# Altium PCB DM1098OAKW.PcbDoc (part 1 of 5) (continued)
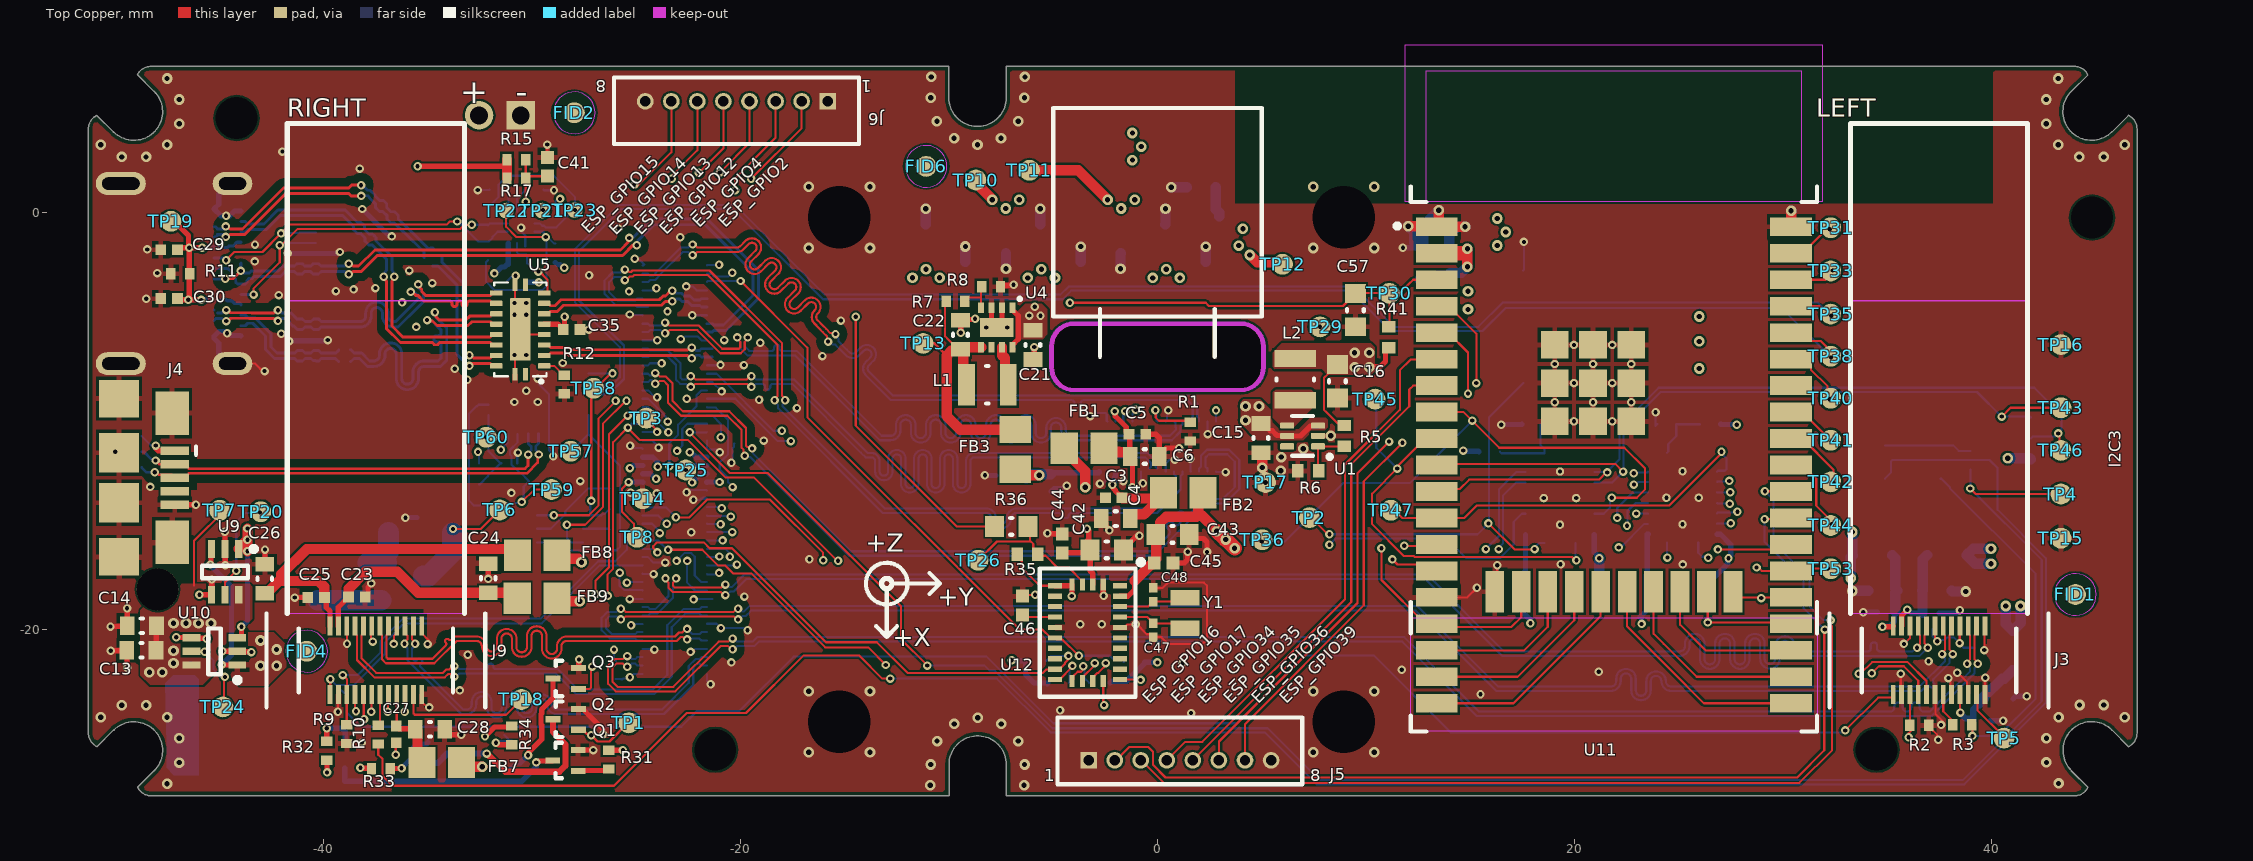
[diagram p0: Top Copper view]
## Classes and differential pairs
net class SPI0: GPIO8/SPI0_CS_1 SPI0_CS_0 SPI0_SCK SPI0_SIO0 SPI0_SIO1 SPI0_SIO2 SPI0_SIO3
differential pair class USB3: RXB RXC TXB TXB1 TXC TXC1 USB_D USB_RX USB_TX USBSER_D
differential pair class 100ohm: MIPI_RX2_C MIPI_RX2_D0 MIPI_RX2_D1 MIPI_RX3_C MIPI_RX3_D0 MIPI_RX3_D1 MIPI_RX4_C MIPI_RX4_D0 MIPI_RX4_D1 MIPI_RX5_D0 MIPI_RX5_D1
net class VDDIOB_GPIO: ESP_GPIO2 ESP_GPIO4 ESP_GPIO12 ESP_GPIO13 ESP_GPIO14 ESP_GPIO15
net class SPI0_3V3: ESP_GPIO27 VSPI_CS0 VSPI_HOLDn_SIO3 VSPI_SCK VSPI_SDI_SIO1 VSPI_SDO_SIO0 VSPI_WPn_SIO2
net class Power_trace: 1V2_L 1V2_R 1V05_IMX378 1V8_IMX378 1V8_L 1V8_R 2V8_IMX378 2V8_L 2V8_R 3V3 NetC40_2 VBUS VDD_5V
net class MIPI_CAM_C: MIPI_RX3_C_N MIPI_RX3_C_P MIPI_RX3_D0_N MIPI_RX3_D0_P MIPI_RX3_D1_N MIPI_RX3_D1_P
net class MIPI_CAM_B: MIPI_RX2_C_N MIPI_RX2_C_P MIPI_RX2_D0_N MIPI_RX2_D0_P MIPI_RX2_D1_N MIPI_RX2_D1_P
net class MIPI_CAM_A: MIPI_RX4_C_N MIPI_RX4_C_P MIPI_RX4_D0_N MIPI_RX4_D0_P MIPI_RX4_D1_N MIPI_RX4_D1_P MIPI_RX5_D0_N MIPI_RX5_D0_P MIPI_RX5_D1_N MIPI_RX5_D1_P
component class U_BW1092_USB: C29 C30 C31 C32 C33 C34 C35 C36 C41 D6 D7 D8 J10 R11 R12 R13 R14 R15 R16 R17 R18 R19 R20 R21 TP19 TP21 TP22 TP23 U5 U6
component class U_BW1092_RIGHT_OV9282: C23 C24 C25 C26 C27 C28 FB7 FB8 FB9 J9 R9 R10 TP18
component class U_BW1092_QWIIC: J11
component class U_BW1092_Power_Supply: C13 C14 C15 C16 C17 C18 C19 C20 C21 C22 C38 C39 C40 D1 J7 J8 L1 L2 R5 R6 R7 R8 TP6 TP7 TP8 TP10 TP11 TP12 TP13 TP14 TP15 TP16 TP17 TP20 TP24 TP25 U1 U2 U3 U4 U8 U9 U10
component class U_BW1092_LEVEL_SHIFT: C49 C50 C51 C52 C53 C54 R39 R40 U13 U14
component class U_BW1092_LEFT_OV9282: C7 C8 C9 C10 C11 C12 FB4 FB5 FB6 J3 R2 R3 R4 R24 R26 TP5
component class U_BW1092_IMX378: C1 C2 C3 C4 C5 C6 FB1 FB2 FB3 J2 R1
component class U_BW1092_IMU: C42 C43 C44 C45 C46 C47 C48 R29 R30 R35 R36 R37 R38 TP26 U12 Y1
component class U_BW1092_ESP32: C55 C56 C57 C58 D5 J4 J5 J6 Q4 R41 R42 R43 R44 R45 R46 TP29 TP30 TP31 TP33 TP35 TP36 TP38 TP40 TP41 TP42 TP43 TP44 TP45 TP46 TP47 TP53 TP57 TP58 TP59 TP60 U11 U15
component class U_BW1092_Connector: B1 D2 D3 D4 J1 MH1 MH2 MH3 MH4 MISC1 Q1 Q2 Q3 R31 R32 R33 R34 TP1 TP2 TP3 TP4
component class DM1098OAKW_TopLevel: FID1 FID2 FID3 FID4 FID5 FID6
differential pair USBSER_D: +USBSER_D_P -USBSER_D_N
differential pair USB_TX: +USB_TX_P -USB_TX_N
differential pair USB_RX: +USB_RX_P -USB_RX_N
differential pair USB_D: +USB_D_P -USB_D_N
differential pair TXC: +TXC_P -TXC_N
differential pair TXC1: +TXC1_P -TXC1_N
differential pair TXB: +TXB_P -TXB_N
differential pair TXB1: +TXB1_P -TXB1_N
differential pair RXC: +RXC_P -RXC_N
differential pair RXB: +RXB_P -RXB_N
differential pair MIPI_RX5_D1: +MIPI_RX5_D1_P -MIPI_RX5_D1_N
differential pair MIPI_RX5_D0: +MIPI_RX5_D0_P -MIPI_RX5_D0_N
differential pair MIPI_RX4_D1: +MIPI_RX4_D1_P -MIPI_RX4_D1_N
differential pair MIPI_RX4_D0: +MIPI_RX4_D0_P -MIPI_RX4_D0_N
differential pair MIPI_RX4_C: +MIPI_RX4_C_P -MIPI_RX4_C_N
differential pair MIPI_RX3_D1: +MIPI_RX3_D1_P -MIPI_RX3_D1_N
differential pair MIPI_RX3_D0: +MIPI_RX3_D0_P -MIPI_RX3_D0_N
differential pair MIPI_RX3_C: +MIPI_RX3_C_P -MIPI_RX3_C_N
differential pair MIPI_RX2_D1: +MIPI_RX2_D1_P -MIPI_RX2_D1_N
differential pair MIPI_RX2_D0: +MIPI_RX2_D0_P -MIPI_RX2_D0_N
differential pair MIPI_RX2_C: +MIPI_RX2_C_P -MIPI_RX2_C_N

## Components (designator, comment, footprint, x,y, rotation, side; value= is the part's Value field where it differs from the comment)
B1 "Off-Mom, 50mA" DTSM-32N-V 17.551,-5.494 r270 bottom
C1 "0.1uF 0402" CAPC0402(1005)70_L -5.1,-13 r90 bottom
C2 "10uF 0603" CAPC0603(1608)100_L -7.053,-12.633 r0 bottom
C3 "0.1uF 0402" CAPC0402(1005)70_L -2.1,-13.7 r0 top
C4 "10uF 0603" CAPC0603(1608)100_L -2,-14.7 r0 top
C5 "0.1uF 0402" CAPC0402(1005)70_L -0.959,-10.654 r180 top
C6 "10uF 0603" CAPC0603(1608)100_L -0.604,-11.719 r180 top
C7 "0.1uF 0402" CAPC0402(1005)70_L 37.108,-19.23 r180 bottom
C8 "10uF 0603" CAPC0603(1608)100_L 37.403,-18.161 r180 bottom
C9 "0.1uF 0402" CAPC0402(1005)70_L 34.941,-19.201 r0 bottom
C10 "10uF 0603" CAPC0603(1608)100_L 34.8,-18.155 r0 bottom
C11 "0.1uF 0402" CAPC0402(1005)70_L 39.544,-24.399 r180 bottom
C12 "10uF 0603" CAPC0603(1608)100_L 40.345,-23.358 r180 bottom
C13 "22uF 0603" CAPC0603(1608)100_L -48.749,-21.021 r0 top
C14 "22uF 0603" CAPC0603(1608)100_L -48.728,-19.836 r0 top
C15 "10uF 0603" CAPC0603(1608)100_L 4.963,-10.838 r90 top
C16 "22uF 0603" CAPC0603(1608)100_N 8.637,-8.112 r270 top
C17 "10uF 0603" CAPC0603(1608)100_L -5.619,-1.277 r270 bottom
C18 "10uF 0603" CAPC0603(1608)100_L -1.772,-1.277 r90 bottom
C19 "10uF 0603" CAPC0603(1608)100_L 0.384,-1.277 r270 bottom
C20 "10uF 0603" CAPC0603(1608)100_L 2.1,1.2 r0 bottom
C21 "10uF 0603" CAPC0603(1608)100_L -5.975,-6.367 r90 top
C22 "22uF 0603" CAPC0603(1608)100_L -9.454,-5.883 r270 top
C23 "0.1uF 0402" CAPC0402(1005)70_L -38.414,-18.465 r180 top
C24 "10uF 0603" CAPC0603(1608)100_L -32.104,-17.56 r270 top
C25 "0.1uF 0402" CAPC0402(1005)70_L -40.368,-18.481 r0 top
C26 "10uF 0603" CAPC0603(1608)100_L -42.836,-17.59 r270 top
C27 "0.1uF 0402" CAPC0402(1005)70_L -36.52,-25.054 r90 top
C28 "10uF 0603" CAPC0603(1608)100_L -34.904,-24.808 r180 top
C29 "10uF 0402" CAPC0402(1005)70_L -47.422,-1.801 r0 top
C30 "10uF 0402" CAPC0402(1005)70_L -47.422,-4.148 r0 top
C31 "0.1uF 0201" CAPC0201(0603)33_L#1 -39,-6.6 r0 bottom
C32 "0.1uF 0201" CAPC0201(0603)33_L#2 -39,-7.169 r0 bottom
C33 "0.1uF 0201" CAPC0201(0603)33_L#2 -34.984,-2.376 r315 bottom
C34 "0.1uF 0201" CAPC0201(0603)33_L#2 -34.544,-1.935 r315 bottom
C35 "10uF 0402" CAPC0402(1005)70_L -28.107,-5.628 r180 top
C36 "10uF 0402" CAPC0402(1005)70_L -31.2,-2.9 r90 bottom
C38 "10uF 0603" CAPC0603(1608)100_L -11.118,-1.277 r270 bottom
C39 "10uF 0603" CAPC0603(1608)100_L -7.267,-1.277 r90 bottom
C40 "1uF 0402" CAPC0402(1005)70_L -35.123,-14.647 r0 bottom
C41 "1uF 0402" CAPC0402(1005)70_N -29.265,2.181 r270 top
C42 "10uF 0603" CAPC0603(1608)100_N -2.432,-16.202 r180 top
C43 "10uF 0603" CAPC0603(1608)100_N 0.72,-15.457 r180 top
C44 "0.1uF 0402" CAPC0402(1005)70_N -4.569,-15.893 r270 top
C45 "0.1uF 0402" CAPC0402(1005)70_N 0.296,-16.829 r180 top
C46 "0.1uF 0402" CAPC0402(1005)70_N -6.48,-18.872 r90 top
C47 "18pF 0201" CAPC0201(0603)33_N -0.203,-20.057 r90 top
C48 "18pF 0201" CAPC0201(0603)33_N -0.203,-18.357 r270 top
C49 "0.1uF 0402" CAPC0402(1005)70_N 26.308,-17.474 r0 bottom
C50 "0.1uF 0402" CAPC0402(1005)70_N 23.902,-17.423 r180 bottom
C51 "1uF 0402" CAPC0402(1005)70_N 24.444,-10.158 r0 bottom
C52 "0.1uF 0402" CAPC0402(1005)70_N 17.896,-17.423 r180 bottom
C53 "0.1uF 0402" CAPC0402(1005)70_N 20.7,-17.423 r0 bottom
C54 "1uF 0402" CAPC0402(1005)70_N 17.936,-10.172 r0 bottom
C55 "0.1uF 0402" CAPC0402(1005)70_N 13.998,-2.525 r270 bottom
C56 "10uF 0603" CAPC0603(1608)100_N 12.571,-2.447 r270 bottom
C57 "4.7uF 0603" CAPC0603(1608)100_N 9.5,-4.7 r90 top
C58 "4.7uF 0603" CAPC0603(1608)100_N -29.352,-12.958 r180 bottom
D1 "3W, 5.6V" 1SMB5919BT3G -37.149,-11.088 r180 bottom
D2 "RED 0603" SML_D1xx8W -39,-26.057 r90 bottom
D3 "ORANGE 0603" SML_D1xx8W -35,-26.057 r90 bottom
D4 "ORANGE 0603" SML_D1xx8W -31,-26.057 r90 bottom
D5 "PESD5V0L5UY,125" PESD5V0L5UY,125 -49.638,-11.493 r0 bottom
D6 "TPD4EUSB30DQAR" TPD4EUSB30DQAR -40.77,-1.971 r90 bottom
D7 "TPD4EUSB30DQAR" TPD4EUSB30DQAR -40.759,-6.132 r270 bottom
D8 "TPD4EUSB30DQAR" TPD4EUSB30DQAR -37.5,-0.5 r45 bottom
FB1 "600R/100MHz" 2508056017Y2 -3.522,-11.323 r0 top
FB2 "600R/100MHz" 2508056017Y2 1.244,-13.461 r180 top
FB3 "600R/100MHz" 2508056017Y2 -6.822,-11.383 r270 top
FB4 "600R/100MHz" 2508056017Y2 41.038,-21.03 r270 bottom
FB5 "600R/100MHz" 2508056017Y2 34.302,-16.454 r0 bottom
FB6 "600R/100MHz" 2508056017Y2 37.889,-16.446 r180 bottom
FB7 "600R/100MHz" 2508056017Y2 -34.341,-26.408 r180 top
FB8 "600R/100MHz" 2508056017Y2 -29.763,-16.465 r180 top
FB9 "600R/100MHz" 2508056017Y2 -29.766,-18.519 r180 top
FID1 "FIDUCIAL_ROUND_1MM" FIDUCIAL_ROUND_1MM 44.044,-18.341 r180 top
FID2 "FIDUCIAL_ROUND_1MM" FIDUCIAL_ROUND_1MM -27.978,4.771 r180 top
FID3 "FIDUCIAL_ROUND_1MM" FIDUCIAL_ROUND_1MM -49.289,-15.508 r0 bottom
FID4 "FIDUCIAL_ROUND_1MM" FIDUCIAL_ROUND_1MM -40.821,-21.064 r180 top
FID5 "FIDUCIAL_ROUND_1MM" FIDUCIAL_ROUND_1MM -27.121,2.463 r0 bottom
FID6 "FIDUCIAL_ROUND_1MM" FIDUCIAL_ROUND_1MM -11.1,2.2 r180 top
J1 "DF40HC(3.0)-100DS-0.4V_BW1099EMB_Receptacle" DF40HC-3.0-100DS-0.4V_minpad -23.16,-12.35 r180 bottom
J2 "24-5804-030-000-829+" A12N02A-201_1.6mmbrd_MatedModule 0,-11.238 r180 bottom locked
J3 "BBR43-24KB533 for camera module TG161B-201" TG161B-201 37.5,-21.5 r0 top locked
J4 "USB2.0 MICRO B" 10118192-0001LF -49.826,-12.741 r270 top locked
J5 "8pin 1.25mm Molex Picoblade" 53047-0810 1.075,-26.3 r180 top
J6 "8pin 1.25mm Molex Picoblade" 53047-0810 -20.199,5.317 r0 top locked
J7 "PJ-036AH-SMT-TR" PJ-036AH-SMT -41.6,-18.1 r0 bottom locked
J8 "B2B-PH-K-S(LF)(SN)" B2B-PH-K-S(LF)(SN) -31.55,4.099 r0 bottom
J9 "BBR43-24KB533 for camera module TG161B-201" TG161B-201 -37.5,-21.5 r0 top locked
J10 "USB3.1 TYPEC 24P SMD RA" 105450-0101 -44.618,-2.945 r90 bottom locked
J11 "QWIIC, side entry" SM04B-SRSS-TB(LF)(SN) 43.85,-11.35 r270 bottom
L1 "1uH, 3.2A, 20%" DFE252012P-1R0M=P2 -8.164,-8.273 r180 top
L2 "1uH, 3.2A, 20%" DFE252012P-1R0M=P2 6.611,-8.023 r90 top
MH1 "M2, 3MM steel spacer on M2.5 mounting pad" 9774030243R -15.26,-24.45 r45 bottom
MH2 "M2, 3MM steel spacer on M2.5 mounting pad" 9774030243R 8.94,-24.45 r45 bottom
MH3 "M2, 3MM steel spacer on M2.5 mounting pad" 9774030243R 8.94,-0.25 r45 bottom
MH4 "M2, 3MM steel spacer on M2.5 mounting pad" 9774030243R -15.26,-0.25 r45 bottom
MISC1 "Layout guide for BW1099" BW1099_R3_KTHSNF_Footprint -23.16,-12.35 r180 bottom locked
Q1 "RE1C002UNTCL" RE1C002UNTCL -28.401,-26.308 r90 top
Q2 "RE1C002UNTCL" RE1C002UNTCL -28.387,-24.333 r90 top
Q3 "RE1C002UNTCL" RE1C002UNTCL -28.387,-22.371 r90 top
Q4 "BC847S" BC847S -28.663,-15.165 r0 bottom
R1 "10K 0402" RESC0402(1005)_L 1.569,-10.528 r270 top
R2 "10K 0402" RESC0402(1005)_L 36.553,-24.623 r0 top
R3 "0R 0402" RESC0402(1005)_L 38.614,-24.582 r0 top
R4 "10K 0402" RESC0402(1005)_L 39.003,-11.899 r90 bottom
R5 "442K 0402" RESC0402(1005)_N 8.963,-10.734 r90 top
R6 "97.6K 0402" RESC0402(1005)_N 7.231,-12.413 r0 top
R7 "53.6k 0402" RESC0402(1005)_L -9.691,-4.275 r180 top
R8 "39.2k 0402" RESC0402(1005)_L -7.98,-3.575 r180 top
R9 "10K 0402" RESC0402(1005)_L -38.891,-25.041 r270 top
R10 "0R 0402" RESC0402(1005)_L -37.379,-25.066 r270 top
R11 "10K 0402" RESC0402(1005)_L -46.885,-2.956 r0 top
R12 "10K 0402" RESC0402(1005)_L -28.455,-8.266 r270 top
R13 "10K 0402" RESC0402(1005)_L -30.2,-2.9 r270 bottom
R14 "10K 0402" RESC0402(1005)_L -31.597,1.078 r180 bottom
R15 "1.8MR 0402" RESC0402(1005)_L -30.76,2.52 r0 top
R16 "10K 0402" RESC0402(1005)_L -29.91,1.078 r0 bottom
R17 "1.8MR 0402" RESC0402(1005)_L -30.76,1.62 r0 top
R18 "10K 0402" RESC0402(1005)_L -32.115,-0.173 r270 bottom
R19 "10K 0402" RESC0402(1005)_L -32.121,-1.851 r90 bottom
R20 "10K 0402" RESC0402(1005)_L -28.888,-0.278 r90 bottom
R21 "10K 0402" RESC0402(1005)_L -28.896,-1.958 r270 bottom
R24 "0R 0603" RESC0603(1608)_N 37.57,-11.989 r270 bottom
R26 "0R 0603" RESC0603(1608)_N 34.9,-11.989 r270 bottom
R29 "10K 0402" RESC0402(1005)_N -1.106,-21.579 r0 bottom
R30 "10K 0402" RESC0402(1005)_N -5.833,-21.532 r180 bottom
R31 "1K 0402" RESC0402(1005)_L -26.331,-26.264 r90 top
R32 "1K 0402" RESC0402(1005)_L -39.851,-25.842 r270 top
R33 "1K 0402" RESC0402(1005)_L -37.258,-26.705 r180 top
R34 "1K 0402" RESC0402(1005)_L -30.986,-25.103 r90 top
R35 "10K 0402" RESC0402(1005)_N -6.235,-16.401 r180 top
R36 "0R 0603" RESC0603(1608)_N -7.015,-15.074 r180 top
R37 "2.2K 0402" RESC0402(1005)_N -4.752,-22.589 r0 bottom
R38 "2.2K 0402" RESC0402(1005)_N -2.777,-22.583 r180 bottom
R39 "1K 0402" RESC0402(1005)_N 26.52,-10.174 r0 bottom
R40 "10K 0402" RESC0402(1005)_N 15.927,-11.493 r0 bottom
R41 "10K 0402" RESC0402(1005)_N 11.1,-6 r270 top
R42 "22.1K 0402" RESC0402(1005)_N -32.551,-12.55 r270 bottom
R43 "10K 0402" RESC0402(1005)_N -26.306,-15.729 r90 bottom
R44 "47.5K 0402" RESC0402(1005)_N -31.47,-12.544 r90 bottom
R45 "1K 0402" RESC0402(1005)_L -32.012,-14.017 r180 bottom
R46 "10K 0402" RESC0402(1005)_N -26.299,-13.751 r270 bottom
TP1 "TP100_200_NS" TP100_200_NS -25.362,-24.5 r180 top
TP2 "TP100_200_NS" TP100_200_NS 7.295,-14.655 r180 top
TP3 "TP100_200_NS" TP100_200_NS -24.523,-9.879 r180 top
TP4 "TP100_200_NS" TP100_200_NS 43.35,-13.521 r90 top
TP5 "TP100_200_NS" TP100_200_NS 40.619,-25.235 r0 top
TP6 "TP100_200_NS" TP100_200_NS -31.557,-14.286 r180 top
TP7 "TP100_200_NS" TP100_200_NS -44.997,-14.298 r270 top
TP8 "TP100_200_NS" TP100_200_NS -24.966,-15.598 r270 top
TP10 "TP100_200_NS" TP100_200_NS -8.714,1.546 r180 top
TP11 "TP100_200_NS" TP100_200_NS -6.142,2.01 r90 top
TP12 "TP100_200_NS" TP100_200_NS 6,-2.5 r180 top
TP13 "TP100_200_NS" TP100_200_NS -11.243,-6.295 r0 top
TP14 "TP100_200_NS" TP100_200_NS -24.7,-13.75 r270 top
TP15 "TP100_200_NS" TP100_200_NS 43.35,-15.64 r180 top
TP16 "TP100_200_NS" TP100_200_NS 43.35,-6.354 r270 top
TP17 "TP100_200_NS" TP100_200_NS 5.182,-12.966 r180 top
TP18 "TP100_200_NS" TP100_200_NS -30.515,-23.377 r270 top
TP19 "TP100_200_NS" TP100_200_NS -47.333,-0.437 r0 top
TP20 "TP100_200_NS" TP100_200_NS -43.027,-14.372 r90 top
TP21 "TP075_150_NS" TP075_150_NS -29.525,0.079 r180 top
TP22 "TP075_150_NS" TP075_150_NS -31.254,0.079 r180 top
TP23 "TP075_150_NS" TP075_150_NS -27.96,0.099 r180 top
TP24 "TP100_200_NS" TP100_200_NS -44.837,-23.736 r270 top
TP25 "TP100_200_NS" TP100_200_NS -22.633,-12.373 r180 top
TP26 "TP100_200_NS" TP100_200_NS -8.603,-16.702 r90 top
TP29 "TP100_200_NS" TP100_200_NS 7.8,-5.5 r180 top
TP30 "TP100_200_NS" TP100_200_NS 11.125,-3.895 r180 top
TP31 "TP100_200_NS" TP100_200_NS 32.303,-0.746 r270 top
TP33 "TP100_200_NS" TP100_200_NS 32.303,-2.817 r180 top
TP35 "TP100_200_NS" TP100_200_NS 32.303,-4.888 r180 top
TP36 "TP100_200_NS" TP100_200_NS 5.022,-15.715 r270 top
TP38 "TP100_200_NS" TP100_200_NS 32.303,-6.908 r180 top
TP40 "TP100_200_NS" TP100_200_NS 32.303,-8.927 r270 top
TP41 "TP100_200_NS" TP100_200_NS 32.303,-10.94 r270 top
TP42 "TP100_200_NS" TP100_200_NS 32.303,-12.94 r270 top
TP43 "TP100_200_NS" TP100_200_NS 43.35,-9.381 r180 top
TP44 "TP100_200_NS" TP100_200_NS 32.303,-15.031 r270 top
TP45 "TP100_200_NS" TP100_200_NS 10.442,-8.97 r270 top
TP46 "TP100_200_NS" TP100_200_NS 43.35,-11.428 r90 top
TP47 "TP100_200_NS" TP100_200_NS 11.2,-14.3 r270 top
TP53 "TP100_200_NS" TP100_200_NS 32.303,-17.108 r180 top
TP57 "TP100_200_NS" TP100_200_NS -28.15,-11.471 r0 top
TP58 "TP100_200_NS" TP100_200_NS -27.051,-8.447 r90 top
TP59 "TP100_200_NS" TP100_200_NS -29.07,-13.308 r180 top
TP60 "TP100_200_NS" TP100_200_NS -32.2,-10.8 r90 top
U1 "TLV62568DRLR" TLV62568DRLR 6.964,-10.735 r180 top
U2 "TLV70018DCK" TLV70018DCK -3.677,-1.285 r180 bottom
U3 "TLV70028DCK" TLV70028DCK 2.318,-1.285 r180 bottom
U4 "TLV62080DSG" TLV62080DSG -7.709,-5.532 r270 top
U5 "USB Type-C Switch" HD3SS3212RKSR -30.571,-5.622 r180 top
U6 "USB Type-C Port Control" TUSB321RWBR -30.534,-0.736 r270 bottom
U8 "TLV70012DCK" TLV70012DCK -9.215,-1.285 r180 bottom
U9 "1.5A ideal diode" LM66100DCKR -44.737,-17.259 r270 top
U10 "1.5A ideal diode" LM66100DCKR -45.245,-21.072 r180 top
U11 "ESP32-WROOM-32D MODULE" "ESP32-WROOM/WROVER COMBO" 21.9,-5.96 r0 top locked
U12 "BNO085" BNO085 -3.351,-20.174 r0 top locked
U13 "TXS0108ERGYR" TXS0108ERGYR 25.193,-13.701 r0 bottom
U14 "TXS0108ERGYR" TXS0108ERGYR 19.313,-13.716 r0 bottom
U15 "CP2102N-A02-GQFN28R" CP2102N-A02-GQFN28R -29.697,-8.236 r90 bottom
Y1 "ABS06-127-32.768KHZ-T" ABS06-127-32.768KHZ-T 1.322,-19.232 r270 top

## Footprints (in the part's own frame and the unit in brackets; to place one, negate y for a bottom-side part, rotate by r counter-clockwise, add the part's x,y. Pads: shape width x height; smd on the part's side, far side on the other; paste and mask are expansions set on the pad)
1SMB5919BT3G [mm] "Molded, 2-Leads, Body 4.6x3.95mm"
  rect 2.159x2.743 smd: 1(-2.21,0) 2(2.21,0)
  silkscreen extent -3.1,-1 0.5,2.1, body extent -2.3,-1.97 2.3,1.97, height 2.42
53047-0810 [mm] "1.25mm Pitch, PicoBlade PCB Header, Single Row, Vertical, Through Hole, Tin Plating, Friction Lock, 8 Circuits"
  rect 0.8x0.8 hole 0.5: 1(4.375,0)
  round 0.8 hole 0.5: 2(3.125,0) 3(1.875,0) 4(0.625,0) 5(-0.625,0) 6(-1.875,0) 7(-3.125,0) 8(-4.375,0)
  silkscreen extent -5.88,-2.05 5.87,1.15, body extent -5.88,-2.05 5.87,1.15, height 4.18
105450-0101 [mm] "USB3.1 Type-C Molex SMT, RA, TH"
  rect 0.3x0.7 smd mask+0.05: A1(-3,0.65) A2(-2.5,0.65) A3(-2,0.65) A4(-1.5,0.65) A5(-1,0.65) A6(-0.5,0.65) A7(0.5,0.65) A8(1,0.65) A9(1.5,0.65) A10(2,0.65) A11(2.5,0.65) A12(3,0.65) B2(2.25,-0.65) B3(1.75,-0.65) B4(1.25,-0.65) B5(0.75,-0.65) B6(0.25,-0.65) B7(-0.25,-0.65) B8(-0.75,-0.65) B9(-1.25,-0.65) B10(-1.75,-0.65) B11(-2.25,-0.65)
  rect 1x0.7 smd mask+0.05: B1(3.1,-0.65) B12(-3.1,-0.65)
  oval 1.1x1.9 hole 0.6 slot 1.3 at 90 deg mask+0.05: SH1(-4.32,0.24) SH4(4.32,0.24)
  oval 1.1x2.4 hole 0.6 slot 1.8 at 90 deg mask+0.05: SH2(-4.32,-5.12) SH3(4.32,-5.12)
  Top Copper keep-out region: -3.6,-1.3 3.6,-1.3 3.6,-5.95 -3.6,-5.95
  silkscreen extent -4.5,-3.6 4.5,-1, body extent -4.47,-7.02 4.47,0.88, height 3.2
10118192-0001LF [mm] "USB - micro B"
  rect 0.4x1.35 smd: 1(-1.3,2.675) 2(-0.65,2.675) 3(0,2.675) 4(0.65,2.675) 5(1.3,2.675)
  rect 2.1x1.6 smd: 6(-3.1,2.55) 7(3.1,2.55)
  rect 1.8x1.9 smd: 8(-3.8,0) 9(3.8,0)
  rect 1.9x1.9 smd: 10(-1.2,0) 11(1.2,0)
  silkscreen extent -1.5,3.7 -1.1,3.7, body extent -3.95,-2.67 3.95,2.95, height 2.7
2508056017Y2 [mm] "2508056017Y2 Chip Inductor, 2-Leads, Body 2.00x1.25mm"
  rect 1.3x1.5 smd: 1(-0.95,0) 2(0.95,0)
  body extent -1.1,-0.72 1.1,0.73, height 1.45
9774030243R [mm] "STANDOFF_M2X0.4_3MM with no pad on bottom of PCB"
  round 5.3 / inner round 2.7 / far side round 2.7 hole 3 mask+0.05: 1(0,0)
  body extent -2.17,-2.17 2.18,2.17, height 3.05
A12N02A-201_1.6mmbrd_MatedModule [mm] "connector: 24-5804-030-000-829+ (1.4mm height w/ module mated)"
  rect 0.22x0.5 smd mask+0.05: 1(-2.8,-1.2) 2(-2.4,-1.2) 3(-2,-1.2) 4(-1.6,-1.2) 5(-1.2,-1.2) 6(-0.8,-1.2) 7(-0.4,-1.2) 8(0,-1.2) 9(0.4,-1.2) 10(0.8,-1.2) 11(1.2,-1.2) 12(1.6,-1.2) 13(2,-1.2) 14(2.4,-1.2) 15(2.8,-1.2) 16(2.8,1.2) 17(2.4,1.2) 18(2,1.2) 19(1.6,1.2) 20(1.2,1.2) 21(0.8,1.2) 22(0.4,1.2) 23(0,1.2) 24(-0.4,1.2) 25(-0.8,1.2) 26(-1.2,1.2) 27(-1.6,1.2) 28(-2,1.2) 29(-2.4,1.2) 30(-2.8,1.2)
  Bottom Copper keep-out region: -4.999,16.237 4.999,16.237 4.999,6.239 -4.999,6.239
  Keep-Out Layer board cut-out: -5,4.8 -4.924,5.183 -4.707,5.507 -4.383,5.724 -4,5.8 -4,5.8 4,5.8 4.383,5.724 4.707,5.507 4.924,5.183 5,4.8 5,4.8 5,3.8 4.924,3.417 4.707,3.093 4.383,2.876 4,2.8 4,2.8 -4,2.8 -4.383,2.876 -4.707,3.093 -4.924,3.417 -5,3.8 -5,3.8
  Keep-Out Layer lines w0.2: 5.1,3.8 cw(c4,3.8) 4,2.7 0,2.7 -4,2.7 cw(c-4,3.8) -5.1,3.8 -5.1,4.8 cw(c-4,4.8) -4,5.9 4,5.9 cw(c4,4.8) 5.1,4.8 5.1,3.8
  silkscreen extent -4.5,-2 4.5,4.3, body extent -5.13,-5.71 4.87,16.33, height 6.18
ABS06-127-32.768KHZ-T [mm] "2-SMD 0.079\" L x 0.047\" W (2.00mm x 1.20mm)"
  rect 0.75x1.4 smd: 1(-0.73,0) 2(0.73,0)
  body extent -1,-0.6 1,0.6, height 0.65
B2B-PH-K-S(LF)(SN) [mm] "3.4mm pins, 6mm housing"
  rect 1.368x1.368 hole 0.86: P1(1,-0.55)
  round 1.368 hole 0.86: P2(-1,-0.55)
  silkscreen extent -3.2,-2.5 3.2,2.5, body extent -2.95,-2.25 2.95,2.25, height 6
BC847S [mm] "SOT363, 6-Leads, Body 2.4x2.2mm (max), Pitch 0.65mm, IPC Medium Density"
  rrect50% 0.9x0.4 smd mask+0.076: 1(-1.1,0.675) 2(-1.1,0.025) 3(-1.1,-0.625) 4(1.1,-0.625) 5(1.1,0.025) 6(1.1,0.675)
  silkscreen extent -1.22,-1.08 0.25,1.42, body extent -1.1,-0.97 1.1,1.01, height 0.99
BNO085 [mm] "28-TFLGA Module (5.2x3.8)"
  rect 0.675x0.25 smd paste+0 mask+0: 1(1.563,2.25) 6(-1.562,2.25) 7(-1.562,1.75) 8(-1.562,1.25) 9(-1.562,0.75) 10(-1.562,0.25) 11(-1.562,-0.25) 12(-1.562,-0.75) 13(-1.562,-1.25) 14(-1.562,-1.75) 15(-1.562,-2.25) 20(1.563,-2.25) 21(1.563,-1.75) 22(1.563,-1.25) 23(1.563,-0.75) 24(1.563,-0.25) 25(1.563,0.25) 26(1.563,0.75) 27(1.563,1.25) 28(1.563,1.75)
  rect 0.25x0.575 smd paste+0 mask+0: 2(0.75,2.313) 3(0.25,2.313) 4(-0.25,2.313) 5(-0.75,2.313) 16(-0.75,-2.313) 17(-0.25,-2.313) 18(0.25,-2.313) 19(0.75,-2.313)
  silkscreen extent -2.3,-3.08 2.68,3.51, body extent -1.9,-2.6 1.9,2.6, height 1.18
BW1099_R3_KTHSNF_Footprint [mm] "Graphical/Mechanical footprint for BW1099"
  body extent -35,-15 5,15, height 19
CAPC0201(0603)33_L#1 [mm] "Chip Capacitor, Body 0.6x0.3mm, Height 0.33mm, IPC High Density"
  rect 0.32x0.36 smd: 1(-0.28,0)
  rect 0.36x0.32 smd: 2(0.28,0)
  body extent -0.32,-0.17 0.32,0.17, height 0.33
CAPC0201(0603)33_L#2 [mm] "Chip Capacitor, Body 0.6x0.3mm, Height 0.33mm, IPC High Density"
  rect 0.36x0.32 smd: 1(-0.28,0) 2(0.28,0)
  body extent -0.32,-0.17 0.32,0.17, height 0.33
CAPC0201(0603)33_N [mm] "Chip Capacitor, Body 0.6x0.3mm, Height 0.33mm, IPC Medium Density"
  rect 0.46x0.42 smd: 1(-0.33,0) 2(0.33,0)
  body extent -0.31,-0.16 0.32,0.17, height 0.33
CAPC0402(1005)70_L [mm] "Chip Capacitor, Body 1.0x0.5mm, Height 0.7mm, IPC High Density"
  rect 0.52x0.52 smd: 1(-0.4,0) 2(0.4,0)
  body extent -0.55,-0.3 0.55,0.3, height 0.7
CAPC0402(1005)70_N [mm] "Chip Capacitor, Body 1.0x0.5mm, Height 0.7mm, IPC Medium Density"
  rect 0.62x0.62 smd: 1(-0.45,0) 2(0.45,0)
  body extent -0.55,-0.3 0.55,0.3, height 0.7
CAPC0603(1608)100_L [mm] "Chip Capacitor, Body 1.6x0.8mm, Height 1.0mm, IPC High Density"
  rect 0.7x0.9 smd: 1(-0.7,0) 2(0.7,0)
  silkscreen extent -0.05,-0.35 0.05,0.35, body extent -0.87,-0.47 0.88,0.48, height 1
CAPC0603(1608)100_N [mm] "Chip Capacitor, Body 1.6x0.8mm, Height 1.0mm, IPC Medium Density"
  rect 0.9x1 smd: 1(-0.8,0) 2(0.8,0)
  silkscreen extent -0.05,-0.4 0.05,0.4, body extent -0.87,-0.48 0.88,0.47, height 1
CP2102N-A02-GQFN28R [mm] "QFN, 28-Leads, Body 5.00x5.00mm, Pitch 0.50mm, Thermal Pad 3.15x3.15mm, IPC Medium Density"
  oval 1.15x0.3 smd: 1(-2.4,1.5) 2(-2.4,1) 3(-2.4,0.5) 4(-2.4,0) 5(-2.4,-0.5) 6(-2.4,-1) 7(-2.4,-1.5) 15(2.4,-1.5) 16(2.4,-1) 17(2.4,-0.5) 18(2.4,0) 19(2.4,0.5) 20(2.4,1) 21(2.4,1.5)
  oval 0.3x1.15 smd: 8(-1.5,-2.4) 9(-1,-2.4) 10(-0.5,-2.4) 11(0,-2.4) 12(0.5,-2.4) 13(1,-2.4) 14(1.5,-2.4) 22(1.5,2.4) 23(1,2.4) 24(0.5,2.4) 25(0,2.4) 26(-0.5,2.4) 27(-1,2.4) 28(-1.5,2.4)
  rect 3.15x3.15 smd paste-0.635: 29(0,0)
  silkscreen extent -2.82,-2.73 2.73,2.83, body extent -2.58,-2.57 2.57,2.58, height 1
DF40HC-3.0-100DS-0.4V_minpad [mm] "3.0MM MATED HEIGHT CONN HDR 100POS 0.4MM SMD GOLD"
  rect 0.7x0.18 smd: 1(1.54,9.8) 2(-1.54,9.8) 3(1.54,9.4) 4(-1.54,9.4) 5(1.54,9) 6(-1.54,9) 7(1.54,8.6) 8(-1.54,8.6) 9(1.54,8.2) 10(-1.54,8.2) 11(1.54,7.8) 12(-1.54,7.8) 13(1.54,7.4) 14(-1.54,7.4) 15(1.54,7) 16(-1.54,7) 17(1.54,6.6) 18(-1.54,6.6) 19(1.54,6.2) 20(-1.54,6.2) 21(1.54,5.8) 22(-1.54,5.8) 23(1.54,5.4) 24(-1.54,5.4) 25(1.54,5) 26(-1.54,5) 27(1.54,4.6) 28(-1.54,4.6) 29(1.54,4.2) 30(-1.54,4.2) 31(1.54,3.8) 32(-1.54,3.8) 33(1.54,3.4) 34(-1.54,3.4) 35(1.54,3) 36(-1.54,3) 37(1.54,2.6) 38(-1.54,2.6) 39(1.54,2.2) 40(-1.54,2.2) 41(1.54,1.8) 42(-1.54,1.8) 43(1.54,1.4) 44(-1.54,1.4) 45(1.54,1) 46(-1.54,1) 47(1.54,0.6) 48(-1.54,0.6) 49(1.54,0.2) 50(-1.54,0.2) 51(1.54,-0.2) 52(-1.54,-0.2) 53(1.54,-0.6) 54(-1.54,-0.6) 55(1.54,-1) 56(-1.54,-1) 57(1.54,-1.4) 58(-1.54,-1.4) 59(1.54,-1.8) 60(-1.54,-1.8) 61(1.54,-2.2) 62(-1.54,-2.2) 63(1.54,-2.6) 64(-1.54,-2.6) 65(1.54,-3) 66(-1.54,-3) 67(1.54,-3.4) 68(-1.54,-3.4) 69(1.54,-3.8) 70(-1.54,-3.8) 71(1.54,-4.2) 72(-1.54,-4.2) 73(1.54,-4.6) 74(-1.54,-4.6) 75(1.54,-5) 76(-1.54,-5) 77(1.54,-5.4) 78(-1.54,-5.4) 79(1.54,-5.8) 80(-1.54,-5.8) 81(1.54,-6.2) 82(-1.54,-6.2) 83(1.54,-6.6) 84(-1.54,-6.6) 85(1.54,-7) 86(-1.54,-7) 87(1.54,-7.4) 88(-1.54,-7.4) 89(1.54,-7.8) 90(-1.54,-7.8) 91(1.54,-8.2) 92(-1.54,-8.2) 93(1.54,-8.6) 94(-1.54,-8.6) 95(1.54,-9) 96(-1.54,-9) 97(1.54,-9.4) 98(-1.54,-9.4) 99(1.54,-9.8) 100(-1.54,-9.8)
  silkscreen extent -0.65,-10.85 2.75,10.88, body extent -1.69,-11.3 1.69,11.3, height 17.52
DFE252012P-1R0M=P2 [mm] "Chip Inductor, 2-Leads, Body 2.40x2.00mm, IPC High Density"
  rect 0.8x2 smd: 1(-1,0) 2(1,0)
  silkscreen extent -0.05,-0.9 0.05,0.9, body extent -1.25,-1.1 1.25,1.1, height 1.2
DTSM-32N-V [mm] "tactile button 160gf"
  rect 2x1.5 smd: 1(-2.7,0) 2(2.7,0)
  silkscreen extent -3.01,-1.76 3,1.75, body extent -3.65,-1.75 3.65,1.75, height 5
"ESP32-WROOM/WROVER COMBO" [mm] "ESP32-WROOM combo module"
  rect 2x0.9 smd: 1(-8.5,5.26) 2(-8.5,3.99) 3(-8.5,2.72) 4(-8.5,1.45) 5(-8.5,0.18) 6(-8.5,-1.09) 7(-8.5,-2.36) 8(-8.5,-3.63) 9(-8.5,-4.9) 10(-8.5,-6.17) 11(-8.5,-7.44) 12(-8.5,-8.71) 13(-8.5,-9.98) 14(-8.5,-11.25) 15(-8.5,-12.52) 16(-8.5,-13.79) 17(-8.5,-15.06) 18(-8.5,-16.33) 19(-8.5,-17.6) 20(8.5,-17.6) 21(8.5,-16.33) 22(8.5,-15.06) 23(8.5,-13.79) 24(8.5,-12.52) 25(8.5,-11.25) 26(8.5,-9.98) 27(8.5,-8.71) 28(8.5,-7.44) 29(8.5,-6.17) 30(8.5,-4.9) 31(8.5,-3.63) 32(8.5,-2.36) 33(8.5,-1.09) 34(8.5,0.18) 35(8.5,1.45) 36(8.5,2.72) 37(8.5,3.99) 38(8.5,5.26)
  rect 0.9x2 smd: 15(-5.715,-12.25) 16(-4.445,-12.25) 17(-3.175,-12.25) 18(-1.905,-12.25) 19(-0.635,-12.25) 20(0.635,-12.25) 21(1.905,-12.25) 22(3.175,-12.25) 23(4.445,-12.25) 24(5.715,-12.25)
  rect 1.33x1.33 smd: 39(-2.835,-4.075) 39(-2.835,-2.24) 39(-2.835,-0.405) 39(-1,-4.075) 39(-1,-2.24) 39(-1,-0.405) 39(0.835,-4.075) 39(0.835,-2.24) 39(0.835,-0.405)
  oval 0.406x0.406 hole 0.203 mask+0.102: 39(-2.835,-3.157) 39(-2.835,-1.322) 39(-1.917,-4.075) 39(-1.917,-2.24) 39(-1.917,-0.405) 39(-1,-3.157) 39(-1,-1.322) 39(-0.082,-4.075) 39(-0.082,-2.24) 39(-0.082,-0.405) 39(0.835,-3.157) 39(0.835,-1.322)
  Keep-Out Layer region: 10,6.45 -10,6.45 -10,14 10,14
  Keep-Out Layer region: 9,6.45 -9,6.45 -9,12.75 9,12.75
  Keep-Out Layer region: 9.75,-18.95 -9.75,-18.95 -9.75,-13.494 9.75,-13.494
  silkscreen extent -10.5,-18.95 9.75,7.19, body extent -9,-12.74 9,12.76, height 3.3
FIDUCIAL_ROUND_1MM [mm] "Round, 1mm dia"
  round 1 smd paste-1 mask+0.5: 1(0,0)
  Top Copper keep-out circle w0.025: c0,0 r1
HD3SS3212RKSR [mm] "VQFN-20"
  rrect20% 0.25x0.6 smd mask+0.07: 1(-0.25,2.15) 10(-0.25,-2.15) 11(0.25,-2.15) 20(0.25,2.15)
  rrect20% 0.6x0.25 smd mask+0.07: 2(-1.15,1.75) 3(-1.15,1.25) 4(-1.15,0.75) 5(-1.15,0.25) 6(-1.15,-0.25) 7(-1.15,-0.75) 8(-1.15,-1.25) 9(-1.15,-1.75) 12(1.15,-1.75) 13(1.15,-1.25) 14(1.15,-0.75) 15(1.15,-0.25) 16(1.15,0.25) 17(1.15,0.75) 18(1.15,1.25) 19(1.15,1.75)
  rrect10% 1x3 smd paste-3 mask+0.07: 21(0,0)
  silkscreen extent -1.25,-2.25 1.25,2.53, body extent -1.25,-2.25 1.25,2.25, height 1
LM66100DCKR [mm] "SOT23, 6-Leads, Body 2.00x2.10mm, Pitch 0.65mm, IPC Medium Density"
  rect 0.85x0.35 smd: 1(-1.1,0.65) 2(-1.1,0) 3(-1.1,-0.65) 4(1.1,-0.65) 5(1.1,0) 6(1.1,0.65)
  silkscreen extent -1.22,-1.1 0.3,1.5, body extent -1.2,-1.08 1.2,1.07, height 1.1
PESD5V0L5UY,125 [mm] "6-TSSOP, SC-88, SOT-363"
  rect 0.6x0.6 smd mask+0.076: 1(-0.9,0.75) 3(-0.9,-0.75) 4(0.9,-0.75) 6(0.9,0.75)
  rect 0.6x0.4 smd mask+0.076: 2(-0.9,0) 5(0.9,0)
  silkscreen extent -1.02,-1.07 0.25,1.57, body extent -1.1,-0.99 1.1,0.99, height 0.99
PJ-036AH-SMT [mm] "2.0 x 6.3 mm, 5.0 A, Horizontal, Surface Mount (SMT), Dc Power Jack Connector"
  rect 4.4x3.3 smd: 1(6.375,-0.65)
  rect 6.2x3.5 smd: 2(-2.575,6.25) 3(-2.575,-6.25)
  round 2 hole 2 unplated: ""(-6.375,0)
  silkscreen extent -7,-4.5 9.93,4.5, body extent -9.38,-7.6 7.73,7.6, height 11.05
RE1C002UNTCL [mm] "ROHM SOT-416FL"
  rect 0.3x0.71 smd: 1(-0.5,-0.61) 2(0.5,-0.61) 3(0,0.61)
  silkscreen extent -0.85,0.18 0.85,0.48, body extent -0.8,-0.8 0.8,0.8, height 0.75
RESC0402(1005)_L [mm] "Chip Resistor, Body 1.0x0.5mm, IPC High Density"
  rect 0.45x0.55 smd: 1(-0.45,0) 2(0.45,0)
  body extent -0.52,-0.27 0.53,0.28, height 0.4
RESC0402(1005)_N [mm] "Chip Resistor, Body 1.0x0.5mm, IPC Medium Density"
  rect 0.55x0.65 smd: 1(-0.5,0) 2(0.5,0)
  body extent -0.52,-0.27 0.53,0.28, height 0.4
RESC0603(1608)_N [mm] "Chip Resistor, Body 1.6x0.8mm, IPC Medium Density"
  rect 0.9x1 smd: 1(-0.8,0) 2(0.8,0)
  silkscreen extent -0.05,-0.4 0.05,0.4, body extent -0.85,-0.47 0.85,0.47, height 0.6
SM04B-SRSS-TB(LF)(SN) [mm] "Connector Header Surface Mount, Right Angle 4 position 0.039\" (1.00mm)"
  rect 0.6x1.55 smd: 1(-1.5,1.937) 2(-0.5,1.937) 3(0.5,1.937) 4(1.5,1.937)
  rect 1.2x1.8 smd: S1(-2.8,-1.937) S2(2.8,-1.937)
  silkscreen extent -3,-2.64 3,2.42, body extent -3,-2.64 3,2.31, height 2.96
SML_D1xx8W [mm] "Rohm LED SML_D1 series - Chip Diode, 2-Leads, Body 1.60x0.80mm, IPC High Density"
  rect 0.8x0.8 smd: 1(-0.625,0) 2(0.625,0)
  silkscreen extent -1.3,-0.5 -1.3,0.5, body extent -0.8,-0.4 0.8,0.4, height 0.6
TG161B-201 [mm]
  rect 0.23x0.92 smd mask+0.05: 1(-2.2,1.64) 2(-1.8,1.64) 3(-1.4,1.64) 4(-1,1.64) 5(-0.6,1.64) 6(-0.2,1.64) 7(0.2,1.64) 8(0.6,1.64) 9(1,1.64) 10(1.4,1.64) 11(1.8,1.64) 12(2.2,1.64) 13(2.2,-1.64) 14(1.8,-1.64) 15(1.4,-1.64) 16(1,-1.64) 17(0.6,-1.64) 18(0.2,-1.64) 19(-0.2,-1.64) 20(-0.6,-1.64) 21(-1,-1.64) 22(-1.4,-1.64) 23(-1.8,-1.64) 24(-2.2,-1.64)
  Top Copper keep-out region: -4.25,17.25 4.25,17.25 4.25,25.75 -4.25,25.75
  Top Copper keep-out region: -4.25,2.25 4.25,2.25 4.25,17.25 -4.25,17.25
  silkscreen extent -5.25,-2.25 5.25,25.75, body extent -5.25,-2.25 5.25,25.75, height 4.4
TLV62080DSG [mm] "WSON-8, 2.1mm x 2.1mm x 0.8mm"
  rect 0.5x0.28 smd mask+0.07: 1(-0.95,0.75) 2(-0.95,0.25) 3(-0.95,-0.25) 4(-0.95,-0.75) 5(0.95,-0.75) 6(0.95,-0.25) 7(0.95,0.25) 8(0.95,0.75)
  rect 0.9x1.6 smd mask+0.07: 9(0,0)
  silkscreen extent -1.4,1.07 -1.35,1.13, body extent -1.05,-1.05 1.05,1.05, height 0.8
TLV62568DRLR [mm] "SOT-563, SOT-666,  SOT-563-6"
  rrect33% 0.67x0.3 smd paste+0 mask+0.05: 1(-0.74,0.5) 2(-0.74,0) 3(-0.74,-0.5) 4(0.74,-0.5) 5(0.74,0) 6(0.74,0.5)
  silkscreen extent -1.4,-0.95 0.5,1.1, body extent -0.8,-0.8 0.8,0.8, height 0.61
TLV70012DCK [mm] "SC70-5 1.1mm"
  rect 0.4x0.9 smd paste-0.025 mask+0.05: 1(-0.65,-1.1) 2(0,-1.1) 3(0.65,-1.1) 4(0.65,1.1) 5(-0.65,1.1)
  silkscreen extent -1.17,-1.63 -1.12,-1.57, body extent -1.1,-1.2 1.1,1.2, height 1.1
TLV70018DCK [mm] "SC70-5 1.1mm"
  rect 0.4x0.9 smd paste-0.025 mask+0.05: 1(-0.65,-1.1) 2(0,-1.1) 3(0.65,-1.1) 4(0.65,1.1) 5(-0.65,1.1)
  silkscreen extent -1.17,-1.63 -1.12,-1.57, body extent -1.1,-1.2 1.1,1.2, height 1.1
TLV70028DCK [mm] "SC70-5 1.1mm"
  rect 0.4x0.9 smd paste-0.025 mask+0.05: 1(-0.65,-1.1) 2(0,-1.1) 3(0.65,-1.1) 4(0.65,1.1) 5(-0.65,1.1)
  silkscreen extent -1.17,-1.63 -1.12,-1.57, body extent -1.1,-1.2 1.1,1.2, height 1.1
TP075_150_NS [mm] "0.75mm dia pad, 1.5mm dia clearance, no silk screen"
  round 0.75 smd paste-2: 1(0,0)
TP100_200_NS [mm] "1mm dia pad, 2mm dia clearance, no silk screen"
  round 1 smd paste-2: 1(0,0)
TPD4EUSB30DQAR [mm] "TPD4EUSB30DQAR"
  rect 0.3x0.55 smd mask+0.05: 1(-1,-0.39) 2(-0.5,-0.39) 4(0.5,-0.39) 5(1,-0.39) 6(1,0.39) 7(0.5,0.39) 9(-0.5,0.39) 10(-1,0.39)
  rect 0.4x0.55 smd mask+0.05: 3(0,-0.39) 8(0,0.39)
  silkscreen extent -1.4,-1.01 1.4,0.5, body extent -1.2,-0.71 1.2,0.71, height 0.55
TUSB321RWBR [mm] "X2QFN-12 1.6x1.6"
  rrect50% 0.2x0.7 smd mask+0.05: 1(0.2,0.65) 2(-0.2,0.65) 7(-0.2,-0.65) 8(0.2,-0.65)
  rrect50% 0.5x0.2 smd mask+0.05: 3(-0.75,0.6) 4(-0.75,0.2) 5(-0.75,-0.2) 6(-0.75,-0.6) 9(0.75,-0.6) 10(0.75,-0.2) 11(0.75,0.2) 12(0.75,0.6)
  silkscreen extent 0.57,0.97 0.63,1.03, body extent -0.8,-0.8 0.8,0.8, height 0.4
TXS0108ERGYR [mm] "20-VQFN (3.5x4.5)"
  rrect50% 0.25x0.65 smd mask+0.07: 1(-0.75,2.15) 10(-0.75,-2.15) 11(0.75,-2.15) 20(0.75,2.15)
  rrect50% 0.6x0.24 smd mask+0.07: 2(-1.65,1.75) 3(-1.65,1.25) 4(-1.65,0.75) 5(-1.65,0.25) 6(-1.65,-0.25) 7(-1.65,-0.75) 8(-1.65,-1.25) 9(-1.65,-1.75) 12(1.65,-1.75) 13(1.65,-1.25) 14(1.65,-0.75) 15(1.65,-0.25) 16(1.65,0.25) 17(1.65,0.75) 18(1.65,1.25) 19(1.65,1.75)
  oval 0.406x0.406 hole 0.203 mask+0.102: 21(-0.775,0) 21(0,-1.275) 21(0,1.275) 21(0.775,0)
  rrect5% 2.05x3.05 smd paste-3 mask+0.07: 21(0,0)
  silkscreen extent -2.75,-2.47 1.97,2.48, body extent -1.83,-2.33 1.83,2.33, height 1

## Part data
B1: library part DTSM-32N-V, "SWITCH TACTILE SMT 3.5mm * 6mm , brown 160gf", Manufacturer 1=Diptronics, Manufacturer Part Number 1=DTSM-32N-V-T/R, Max Operating Temperature=80°C, Min Operating Temperature=-30°C, Supplier Part Number 1=113-DTSM32NVTR, ComponentLink1Description=https://datasheet.ciiva.com/29188/708548-da-01-en-tastschalter-smd-dtsm-32n-v-tr-1600st-29188823.pdf?src-supplier=Conrad, ComponentLink1URL=https://datasheet.ciiva.com/29188/708548-da-01-en-tastschalter-smd-dtsm-32n-v-tr-1600st-29188823.pdf?src-supplier=Conrad, Height=5mm, Length=6mm, Pricing 1="1=0.38000, 10=0.38000, 50=0.31000, 100=0.28200, 500=0.25600, 1000=0.23600, 1600=0.20900, 4800=0.18800, 9600=0.17300, 10000=0.17300, 24000=0.16100 (USD)", RoHS=No, Stock 1=3199, Supplier 1=Mouser, Width=3.5mm
C1 C3 C5 C7 C9 C11 C23 C25 C27: library part GRM155R71A104JA01D, "CAP CER 0.1UF 10V X7R 0402 5%", Capacitance=100nF, Case/Package=0402, Case Code (Metric)=1005, Dielectric=X7R, Manufacturer 1=Murata, Max Operating Temperature=125°C, Min Operating Temperature=-55°C, Package Quantity=10000, Supplier Part Number 1=490-10777-1-ND, Tolerance=5%, Voltage Rating=10V, Case Code (Imperial)=0402, ComponentLink1Description=https://datasheet.ciiva.com/5411/product-5411135.pdf?src-supplier=Mouser, ComponentLink1URL=https://datasheet.ciiva.com/5411/product-5411135.pdf?src-supplier=Mouser, ComponentLink2Description=https://datasheet.ciiva.com/11618/c02e-11618821.pdf?src-supplier=Avnet, ComponentLink2URL=https://datasheet.ciiva.com/11618/c02e-11618821.pdf?src-supplier=Avnet, Depth=0.5mm, Height=0.5mm, Lead Free="Lead Free", Length=1mm, Manufacturer Part Number 1=GRM155R71A104JA01D, Mount="Surface Mount", Packaging="Tape and Reel", Pricing 1="1=0.10000, 10=0.02500, 100=0.01130, 500=0.00806, 1000=0.00633, 2500=0.00575, 5000=0.00529 (USD)", Radiation Hardening=No, RoHS=Yes, Stock 1=1346709, Supplier 1=Digi-Key, Termination=SMD/SMT, Thickness=0.022inch, Voltage Rating (DC)=10V, Width=0.02inch
C2 C4 C6 C8 C10 C12 C17 C18 C19 C20 C21 C24 C26 C28 C38 C39: library part GRM188R61A106ME69D, "CAP CER 10UF 10V X5R 0603 20%", Capacitance=10uF, Case/Package=0603, Case Code (Metric)=1608, Dielectric=X5R, Manufacturer 1=Murata, Max Operating Temperature=85°C, Min Operating Temperature=-55°C, Package Quantity=4000, Supplier Part Number 1=490-10475-1-ND, Tolerance=20%, Voltage Rating=10V, Case Code (Imperial)=0603, ComponentLink1Description=http://www.mouser.com/ds/2/281/c02e-2905.pdf?src-supplier=Mouser, ComponentLink1URL=http://www.mouser.com/ds/2/281/c02e-2905.pdf?src-supplier=Mouser, ComponentLink2Description=http://components.arrow.com/part/dataview/0323_06119472?src-supplier=Arrow+Europe, ComponentLink2URL=http://components.arrow.com/part/dataview/0323_06119472?src-supplier=Arrow+Europe, ComponentLink3Description=http://www.farnell.com/datasheets/2048014.pdf?src-supplier=Farnell, ComponentLink3URL=http://www.farnell.com/datasheets/2048014.pdf?src-supplier=Farnell, ComponentLink4Description=http://www.farnell.com/datasheets/1872210.pdf?src-supplier=Farnell, ComponentLink4URL=http://www.farnell.com/datasheets/1872210.pdf?src-supplier=Farnell, ComponentLink5Description=http://search.murata.co.jp/Ceramy/image/img/A01X/G101/ENG/GRM188R61A106ME69-01.pdf?src-supplier=Digi-Key, ComponentLink5URL=http://search.murata.co.jp/Ceramy/image/img/A01X/G101/ENG/GRM188R61A106ME69-01.pdf?src-supplier=Digi-Key, ComponentLink6Description=http://www.farnell.com/datasheets/1872210.pdf?src-supplier=Newark, ComponentLink6URL=http://www.farnell.com/datasheets/1872210.pdf?src-supplier=Newark, ComponentLink7Description=http://www.farnell.com/datasheets/2048014.pdf?src-supplier=Element14, ComponentLink7URL=http://www.farnell.com/datasheets/2048014.pdf?src-supplier=Element14, ComponentLink8Description=http://www.farnell.com/datasheets/2048014.pdf?src-supplier=Newark, ComponentLink8URL=http://www.farnell.com/datasheets/2048014.pdf?src-supplier=Newark, Depth=0.8mm, Height=0.8mm, Lead Free="Lead Free", Length=1.6mm, Manufacturer Part Number 1=GRM188R61A106ME69D, Material=Ceramic, Mount="Surface Mount", Packaging="Tape and Reel", Pricing 1="1=0.21000, 10=0.14100, 100=0.07130, 500=0.04876, 1000=0.04313 (USD)", REACH SVHC=Unknown, RoHS=Yes, Stock 1=2873098, Supplier 1=Digi-Key, Termination=SMD/SMT, Thickness=0.035inch, Voltage Rating (DC)=10V, Weight=0.000222oz, Width=0.8mm
C13 C14 C22: library part GRM188R61A226ME15D, "CAP CER 22UF 10V X5R 0603 20%", Capacitance=22uF, Case/Package=0603, Case Code (Metric)=1608, Dielectric=X5R, Manufacturer 1=Murata, Max Operating Temperature=85°C, Min Operating Temperature=-55°C, Package Quantity=4000, Supplier Part Number 1=490-10476-1-ND, Tolerance=20%, Voltage Rating=10V, Case Code (Imperial)=0603, ComponentLink1Description=https://datasheet.ciiva.com/46444/1769893-46444975.pdf?src-supplier=Element14, ComponentLink1URL=https://datasheet.ciiva.com/46444/1769893-46444975.pdf?src-supplier=Element14, Depth=0.8mm, Height=0.8mm, Lead Free="Lead Free", Length=1.6mm, Manufacturer Part Number 1=GRM188R61A226ME15D, Material=Ceramic, Mount="Surface Mount", Packaging="Tape and Reel", Pricing 1="1=0.31000, 10=0.21500, 100=0.12160, 500=0.08584, 1000=0.07512 (USD)", REACH SVHC="No SVHC", RoHS=Yes, Stock 1=984716, Supplier 1=Digi-Key, Termination=SMD/SMT, Thickness=0.039inch, Voltage Rating (DC)=10V, Weight=0.000222oz, Width=0.8mm
C15 C42 C43 C56: library part GRM188R61A106ME69D, "CAP CER 10UF 10V X5R 0603 20%", Capacitance=10uF, Case Code (Imperial)=0603, Case Code (Metric)=1608, Dielectric=X5R, Manufacturer 1=Murata, Max Operating Temperature=85°C, Min Operating Temperature=-55°C, Package Quantity=4000, Supplier Part Number 1=490-10475-1-ND, Tolerance=20%, Voltage Rating=10V, Case/Package=0603, ComponentLink1Description=http://www.mouser.com/ds/2/281/c02e-2905.pdf?src-supplier=Mouser, ComponentLink1URL=http://www.mouser.com/ds/2/281/c02e-2905.pdf?src-supplier=Mouser, ComponentLink2Description=http://components.arrow.com/part/dataview/0323_06119472?src-supplier=Arrow+Europe, ComponentLink2URL=http://components.arrow.com/part/dataview/0323_06119472?src-supplier=Arrow+Europe, ComponentLink3Description=http://www.farnell.com/datasheets/2048014.pdf?src-supplier=Farnell, ComponentLink3URL=http://www.farnell.com/datasheets/2048014.pdf?src-supplier=Farnell, ComponentLink4Description=http://www.farnell.com/datasheets/1872210.pdf?src-supplier=Farnell, ComponentLink4URL=http://www.farnell.com/datasheets/1872210.pdf?src-supplier=Farnell, ComponentLink5Description=http://search.murata.co.jp/Ceramy/image/img/A01X/G101/ENG/GRM188R61A106ME69-01.pdf?src-supplier=Digi-Key, ComponentLink5URL=http://search.murata.co.jp/Ceramy/image/img/A01X/G101/ENG/GRM188R61A106ME69-01.pdf?src-supplier=Digi-Key, ComponentLink6Description=http://www.farnell.com/datasheets/1872210.pdf?src-supplier=Newark, ComponentLink6URL=http://www.farnell.com/datasheets/1872210.pdf?src-supplier=Newark, ComponentLink7Description=http://www.farnell.com/datasheets/2048014.pdf?src-supplier=Element14, ComponentLink7URL=http://www.farnell.com/datasheets/2048014.pdf?src-supplier=Element14, ComponentLink8Description=http://www.farnell.com/datasheets/2048014.pdf?src-supplier=Newark, ComponentLink8URL=http://www.farnell.com/datasheets/2048014.pdf?src-supplier=Newark, Depth=0.8mm, Height=0.8mm, Lead Free="Lead Free", Length=1.6mm, Manufacturer Part Number 1=GRM188R61A106ME69D, Material=Ceramic, Mount="Surface Mount", Packaging="Tape and Reel", Pricing 1="1=0.21000, 10=0.14100, 100=0.07130, 500=0.04876, 1000=0.04313 (USD)", REACH SVHC=Unknown, RoHS=Yes, Stock 1=2873098, Supplier 1=Digi-Key, Termination=SMD/SMT, Thickness=0.035inch, Voltage Rating (DC)=10V, Weight=0.000222oz, Width=0.8mm
C16: library part GRM188R61A226ME15D, "CAP CER 22UF 10V X5R 0603 20%", Capacitance=22uF, Case Code (Imperial)=0603, Case Code (Metric)=1608, Dielectric=X5R, Manufacturer 1=Murata, Max Operating Temperature=85°C, Min Operating Temperature=-55°C, Package Quantity=4000, Supplier Part Number 1=490-10476-1-ND, Tolerance=20%, Voltage Rating=10V, Case/Package=0603, ComponentLink1Description=https://datasheet.ciiva.com/46444/1769893-46444975.pdf?src-supplier=Element14, ComponentLink1URL=https://datasheet.ciiva.com/46444/1769893-46444975.pdf?src-supplier=Element14, Depth=0.8mm, Height=0.8mm, Lead Free="Lead Free", Length=1.6mm, Manufacturer Part Number 1=GRM188R61A226ME15D, Material=Ceramic, Mount="Surface Mount", Packaging="Tape and Reel", Pricing 1="1=0.31000, 10=0.21500, 100=0.12160, 500=0.08584, 1000=0.07512 (USD)", REACH SVHC="No SVHC", RoHS=Yes, Stock 1=984716, Supplier 1=Digi-Key, Termination=SMD/SMT, Thickness=0.039inch, Voltage Rating (DC)=10V, Weight=0.000222oz, Width=0.8mm